# KiCad board led_res_0603_order.kicad_pcb (continued)
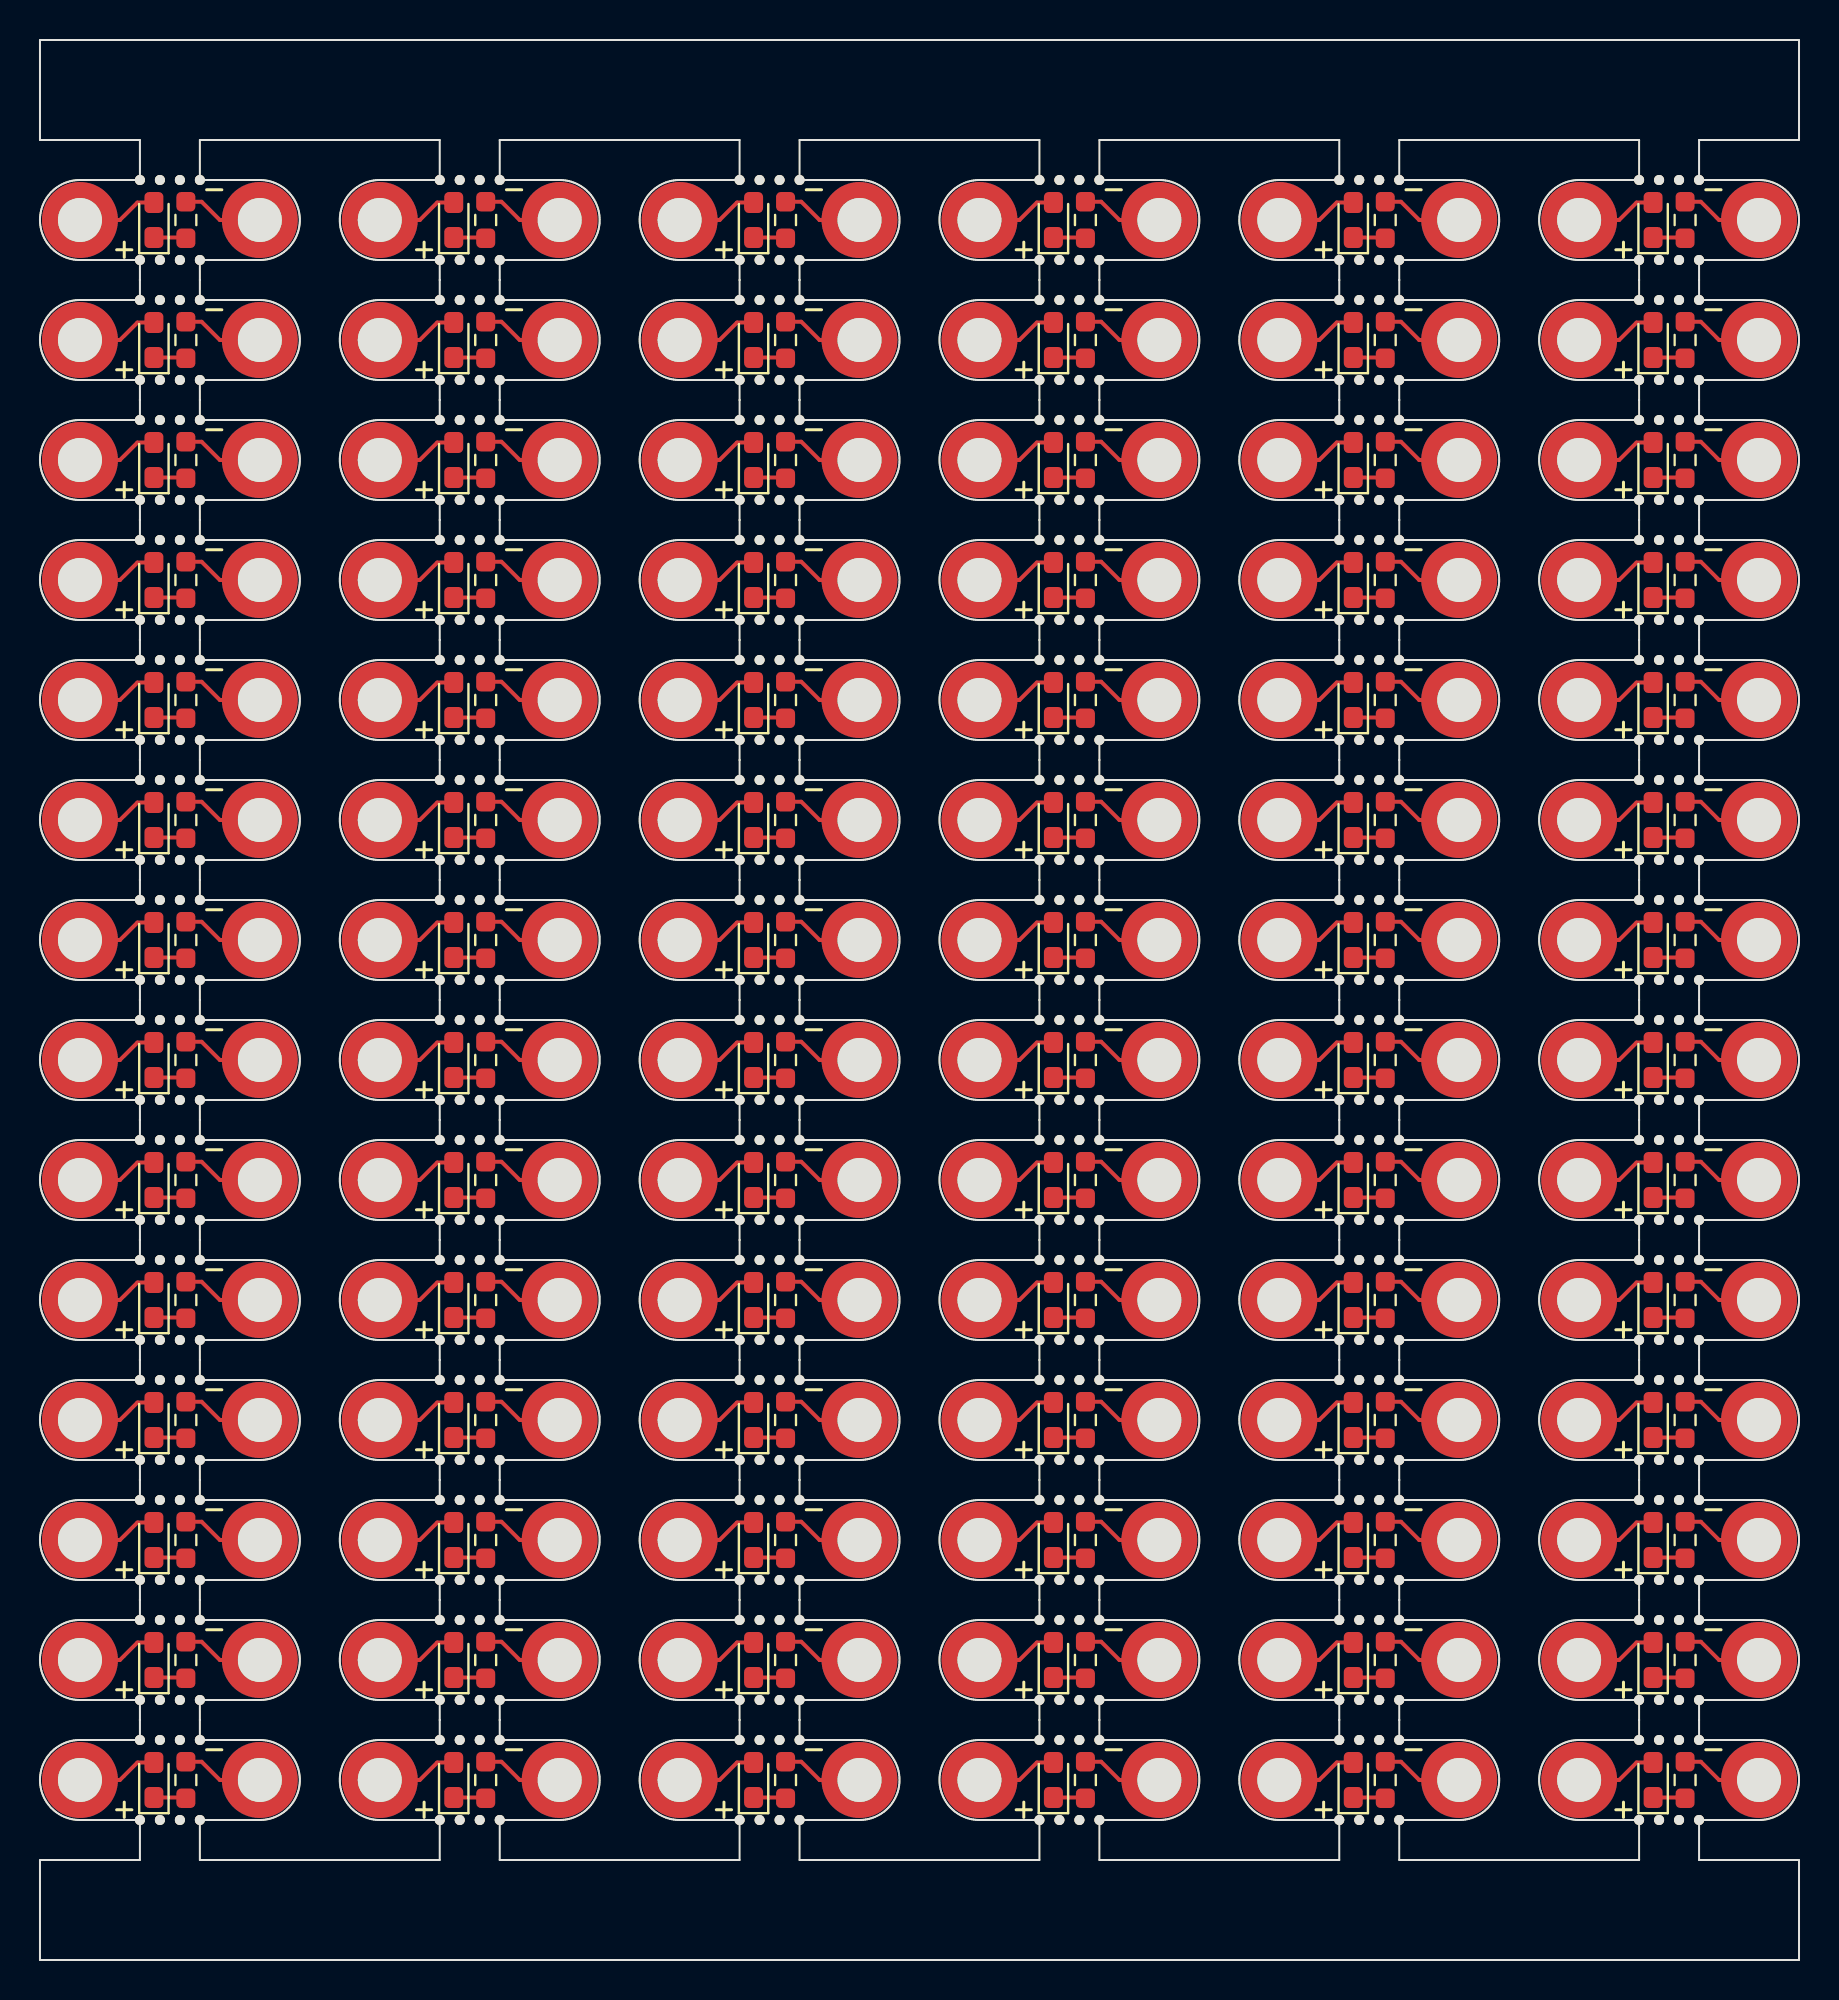
[diagram p0: board, top side]
## Placement (name value [footprint] x y rotation side) (continued)
R1#52  R_US  [R_0603_1608Metric_Pad0.98x0.95mm_HandSolder]  37.3 45 90 top
R1#53  R_US  [R_0603_1608Metric_Pad0.98x0.95mm_HandSolder]  82.3 69 90 top
R1#54  R_US  [R_0603_1608Metric_Pad0.98x0.95mm_HandSolder]  82.3 9 90 top
R1#55  R_US  [R_0603_1608Metric_Pad0.98x0.95mm_HandSolder]  52.3 69 90 top
R1#56  R_US  [R_0603_1608Metric_Pad0.98x0.95mm_HandSolder]  67.3 21 90 top
R1#57  R_US  [R_0603_1608Metric_Pad0.98x0.95mm_HandSolder]  52.3 81 90 top
R1#58  R_US  [R_0603_1608Metric_Pad0.98x0.95mm_HandSolder]  52.3 21 90 top
R1#59  R_US  [R_0603_1608Metric_Pad0.98x0.95mm_HandSolder]  82.3 21 90 top
R1#60  R_US  [R_0603_1608Metric_Pad0.98x0.95mm_HandSolder]  22.3 15 90 top
R1#61  R_US  [R_0603_1608Metric_Pad0.98x0.95mm_HandSolder]  37.3 15 90 top
R1#62  R_US  [R_0603_1608Metric_Pad0.98x0.95mm_HandSolder]  37.3 57 90 top
R1#63  R_US  [R_0603_1608Metric_Pad0.98x0.95mm_HandSolder]  67.3 33 90 top
R1#64  R_US  [R_0603_1608Metric_Pad0.98x0.95mm_HandSolder]  82.3 75 90 top
R1#65  R_US  [R_0603_1608Metric_Pad0.98x0.95mm_HandSolder]  52.3 27 90 top
R1#66  R_US  [R_0603_1608Metric_Pad0.98x0.95mm_HandSolder]  7.3 45 90 top
R1#67  R_US  [R_0603_1608Metric_Pad0.98x0.95mm_HandSolder]  7.3 9 90 top
R1#68  R_US  [R_0603_1608Metric_Pad0.98x0.95mm_HandSolder]  67.3 75 90 top
R1#69  R_US  [R_0603_1608Metric_Pad0.98x0.95mm_HandSolder]  67.3 15 90 top
R1#70  R_US  [R_0603_1608Metric_Pad0.98x0.95mm_HandSolder]  82.3 57 90 top
R1#71  R_US  [R_0603_1608Metric_Pad0.98x0.95mm_HandSolder]  67.3 57 90 top
R1#72  R_US  [R_0603_1608Metric_Pad0.98x0.95mm_HandSolder]  22.3 27 90 top
R1#73  R_US  [R_0603_1608Metric_Pad0.98x0.95mm_HandSolder]  82.3 81 90 top
R1#74  R_US  [R_0603_1608Metric_Pad0.98x0.95mm_HandSolder]  22.3 81 90 top
R1#75  R_US  [R_0603_1608Metric_Pad0.98x0.95mm_HandSolder]  7.3 21 90 top
R1#76  R_US  [R_0603_1608Metric_Pad0.98x0.95mm_HandSolder]  82.3 33 90 top
R1#77  R_US  [R_0603_1608Metric_Pad0.98x0.95mm_HandSolder]  7.3 51 90 top
R1#78  R_US  [R_0603_1608Metric_Pad0.98x0.95mm_HandSolder]  22.3 39 90 top
R1#79  R_US  [R_0603_1608Metric_Pad0.98x0.95mm_HandSolder]  37.3 81 90 top
R1#80  R_US  [R_0603_1608Metric_Pad0.98x0.95mm_HandSolder]  52.3 87 90 top
R1#81  R_US  [R_0603_1608Metric_Pad0.98x0.95mm_HandSolder]  82.3 87 90 top
R1#82  R_US  [R_0603_1608Metric_Pad0.98x0.95mm_HandSolder]  82.3 27 90 top
R1#83  R_US  [R_0603_1608Metric_Pad0.98x0.95mm_HandSolder]  52.3 51 90 top
R1#84  R_US  [R_0603_1608Metric_Pad0.98x0.95mm_HandSolder]  67.3 87 90 top

## Library data of the parts
D1 D1#2-D1#84 = -: Description: Light emitting diode; KiLib_Generator: SMD_2terminal_chip_molded; Sim.Pins: 1=K 2=A; ki_fp_filters: LED* LED_SMD:* LED_THT:*
H1 H1#2-H1#84 H2 H2#2-H2#84 = -: Description: Mounting Hole with connection; KiLib_Generator: mounting_hardware/mounting_hole; ki_fp_filters: MountingHole*Pad*
R1 R1#2-R1#84 = -: Description: Resistor, US symbol; KiLib_Generator: SMD_2terminal_chip_molded; ki_fp_filters: R_*

## Footprints (pads in the part's own frame, mm; a bottom-side part is the same pattern mirrored in y, then rotated)
LED_0603_1608Metric_Pad1.05x0.95mm_HandSolder
  rrect 1.05x0.95 smd: 1(-0.875,0) 2(0.875,0)
MountingHole_2.2mm_M2_DIN965_Pad_TopBottom
  round 2.6 hole 2.2: 1(0,0)
  round 3.8 smd: 1(0,0)
  round 3.8 smd far side: 1(0,0)
NPTH
  round 0.5 hole 0.5 unplated: (0,0)
R_0603_1608Metric_Pad0.98x0.95mm_HandSolder
  rrect 0.975x0.95 smd: 1(-0.912,0) 2(0.912,0)

## Nets
Board_0-Net-(D1-A): D1#56.2 H1#72.1
Board_0-Net-(D1-K): D1#56.1 R1#3.1
Board_0-Net-(H2-Pad1): H2#71.1 R1#3.2
Board_1-Net-(D1-A): D1#68.2 H1#65.1
Board_1-Net-(D1-K): D1#68.1 R1#5.1
Board_1-Net-(H2-Pad1): H2#74.1 R1#5.2
Board_2-Net-(D1-A): D1#25.2 H1#54.1
Board_2-Net-(D1-K): D1#25.1 R1#22.1
Board_2-Net-(H2-Pad1): H2#60.1 R1#22.2
Board_3-Net-(D1-A): D1#22.2 H1#33.1
Board_3-Net-(D1-K): D1#22.1 R1#80.1
Board_3-Net-(H2-Pad1): H2#11.1 R1#80.2
Board_4-Net-(D1-A): D1#46.2 H1#70.1
Board_4-Net-(D1-K): D1#46.1 R1#84.1
Board_4-Net-(H2-Pad1): H2#4.1 R1#84.2
Board_5-Net-(D1-A): D1#35.2 H1#17.1
Board_5-Net-(D1-K): D1#35.1 R1#81.1
Board_5-Net-(H2-Pad1): H2#26.1 R1#81.2
Board_6-Net-(D1-A): D1#7.2 H1#3.1
Board_6-Net-(D1-K): D1#7.1 R1#21.1
Board_6-Net-(H2-Pad1): H2#40.1 R1#21.2
Board_7-Net-(D1-A): D1#11.2 H1#35.1
Board_7-Net-(D1-K): D1#11.1 R1#74.1
Board_7-Net-(H2-Pad1): H2#66.1 R1#74.2
Board_8-Net-(D1-A): D1#36.2 H1#31.1
Board_8-Net-(D1-K): D1#36.1 R1#79.1
Board_8-Net-(H2-Pad1): H2#81.1 R1#79.2
Board_9-Net-(D1-A): D1#55.2 H1#18.1
Board_9-Net-(D1-K): D1#55.1 R1#57.1
Board_9-Net-(H2-Pad1): H2#58.1 R1#57.2
Board_10-Net-(D1-A): D1#49.2 H1#71.1
Board_10-Net-(D1-K): D1#49.1 R1#9.1
Board_10-Net-(H2-Pad1): H2#17.1 R1#9.2
Board_11-Net-(D1-A): D1#50.2 H1#27.1
Board_11-Net-(D1-K): D1#50.1 R1#73.1
Board_11-Net-(H2-Pad1): H2#34.1 R1#73.2
Board_12-Net-(D1-A): D1#33.2 H1#73.1
Board_12-Net-(D1-K): D1#33.1 R1#12.1
Board_12-Net-(H2-Pad1): H2#30.1 R1#12.2
Board_13-Net-(D1-A): D1#59.2 H1#64.1
Board_13-Net-(D1-K): D1#59.1 R1#15.1
Board_13-Net-(H2-Pad1): H2#19.1 R1#15.2
Board_14-Net-(D1-A): D1#65.2 H1#49.1
Board_14-Net-(D1-K): D1#65.1 R1#48.1
Board_14-Net-(H2-Pad1): H2#15.1 R1#48.2
Board_15-Net-(D1-A): D1#15.2 H1#62.1
Board_15-Net-(D1-K): D1#15.1 R1#24.1
Board_15-Net-(H2-Pad1): H2#3.1 R1#24.2
Board_16-Net-(D1-A): D1#74.2 H1#47.1
Board_16-Net-(D1-K): D1#74.1 R1#68.1
Board_16-Net-(H2-Pad1): H2#59.1 R1#68.2
Board_17-Net-(D1-A): D1#69.2 H1#83.1
Board_17-Net-(D1-K): D1#69.1 R1#64.1
Board_17-Net-(H2-Pad1): H2#63.1 R1#64.2
Board_18-Net-(D1-A): D1#28.2 H1#36.1
Board_18-Net-(D1-K): D1#28.1 R1#41.1
Board_18-Net-(H2-Pad1): H2#70.1 R1#41.2
Board_19-Net-(D1-A): D1#53.2 H1#76.1
Board_19-Net-(D1-K): D1#53.1 R1#43.1
Board_19-Net-(H2-Pad1): H2#36.1 R1#43.2
Board_20-Net-(D1-A): D1#21.2 H1#41.1
Board_20-Net-(D1-K): D1#21.1 R1#45.1
Board_20-Net-(H2-Pad1): H2#27.1 R1#45.2
Board_21-Net-(D1-A): D1#67.2 H1#53.1
Board_21-Net-(D1-K): D1#67.1 R1#55.1
Board_21-Net-(H2-Pad1): H2#78.1 R1#55.2
Board_22-Net-(D1-A): D1#27.2 H1#52.1
Board_22-Net-(D1-K): D1#27.1 R1#13.1
Board_22-Net-(H2-Pad1): H2#68.1 R1#13.2
Board_23-Net-(D1-A): D1#63.2 H1#79.1
Board_23-Net-(D1-K): D1#63.1 R1#53.1
Board_23-Net-(H2-Pad1): H2#28.1 R1#53.2
Board_24-Net-(D1-A): D1#79.2 H1#8.1
Board_24-Net-(D1-K): D1#79.1 R1#32.1
Board_24-Net-(H2-Pad1): H2#9.1 R1#32.2
Board_25-Net-(D1-A): D1#43.2 H1#45.1
Board_25-Net-(D1-K): D1#43.1 R1#28.1
Board_25-Net-(H2-Pad1): H2#82.1 R1#28.2
Board_26-Net-(D1-A): D1#13.2 H1#82.1
Board_26-Net-(D1-K): D1#13.1 R1#20.1
Board_26-Net-(H2-Pad1): H2#77.1 R1#20.2
Board_27-Net-(D1-A): D1#37.2 H1#26.1
Board_27-Net-(D1-K): D1#37.1 R1#26.1
Board_27-Net-(H2-Pad1): H2#72.1 R1#26.2
Board_28-Net-(D1-A): D1#6.2 H1.1
Board_28-Net-(D1-K): D1#6.1 R1#25.1
Board_28-Net-(H2-Pad1): H2#84.1 R1#25.2
Board_29-Net-(D1-A): D1#10.2 H1#46.1
Board_29-Net-(D1-K): D1#10.1 R1#2.1
Board_29-Net-(H2-Pad1): H2#10.1 R1#2.2
Board_30-Net-(D1-A): D1#20.2 H1#43.1
Board_30-Net-(D1-K): D1#20.1 R1#8.1
Board_30-Net-(H2-Pad1): H2#35.1 R1#8.2
Board_31-Net-(D1-A): D1#48.2 H1#13.1
Board_31-Net-(D1-K): D1#48.1 R1#44.1
Board_31-Net-(H2-Pad1): H2#61.1 R1#44.2
Board_32-Net-(D1-A): D1#54.2 H1#21.1
Board_32-Net-(D1-K): D1#54.1 R1#62.1
Board_32-Net-(H2-Pad1): H2#51.1 R1#62.2
Board_33-Net-(D1-A): D1#82.2 H1#74.1
Board_33-Net-(D1-K): D1#82.1 R1#17.1
Board_33-Net-(H2-Pad1): H2#53.1 R1#17.2
Board_34-Net-(D1-A): D1#4.2 H1#11.1
Board_34-Net-(D1-K): D1#4.1 R1#71.1
Board_34-Net-(H2-Pad1): H2#8.1 R1#71.2
Board_35-Net-(D1-A): D1#73.2 H1#37.1
Board_35-Net-(D1-K): D1#73.1 R1#70.1
Board_35-Net-(H2-Pad1): H2#24.1 R1#70.2
Board_36-Net-(D1-A): D1.2 H1#68.1
Board_36-Net-(D1-K): D1.1 R1#77.1
Board_36-Net-(H2-Pad1): H2#16.1 R1#77.2
Board_37-Net-(D1-A): D1#61.2 H1#14.1
Board_37-Net-(D1-K): D1#61.1 R1#35.1
Board_37-Net-(H2-Pad1): H2#79.1 R1#35.2
Board_38-Net-(D1-A): D1#77.2 H1#22.1
Board_38-Net-(D1-K): D1#77.1 R1#37.1
Board_38-Net-(H2-Pad1): H2#12.1 R1#37.2
Board_39-Net-(D1-A): D1#84.2 H1#69.1
Board_39-Net-(D1-K): D1#84.1 R1#83.1
Board_39-Net-(H2-Pad1): H2#7.1 R1#83.2
Board_40-Net-(D1-A): D1#60.2 H1#58.1
Board_40-Net-(D1-K): D1#60.1 R1#49.1
Board_40-Net-(H2-Pad1): H2#21.1 R1#49.2
Board_41-Net-(D1-A): D1#34.2 H1#2.1
Board_41-Net-(D1-K): D1#34.1 R1#36.1
Board_41-Net-(H2-Pad1): H2#5.1 R1#36.2
Board_42-Net-(D1-A): D1#58.2 H1#55.1
Board_42-Net-(D1-K): D1#58.1 R1#66.1
Board_42-Net-(H2-Pad1): H2#46.1 R1#66.2
Board_43-Net-(D1-A): D1#66.2 H1#56.1
Board_43-Net-(D1-K): D1#66.1 R1#31.1
Board_43-Net-(H2-Pad1): H2#37.1 R1#31.2
Board_44-Net-(D1-A): D1#12.2 H1#81.1
Board_44-Net-(D1-K): D1#12.1 R1#52.1
Board_44-Net-(H2-Pad1): H2#31.1 R1#52.2
Board_45-Net-(D1-A): D1#18.2 H1#23.1
Board_45-Net-(D1-K): D1#18.1 R1#18.1
Board_45-Net-(H2-Pad1): H2#33.1 R1#18.2
Board_46-Net-(D1-A): D1#51.2 H1#24.1
Board_46-Net-(D1-K): D1#51.1 R1#30.1
Board_46-Net-(H2-Pad1): H2#69.1 R1#30.2
Board_47-Net-(D1-A): D1#44.2 H1#57.1
Board_47-Net-(D1-K): D1#44.1 R1#42.1
Board_47-Net-(H2-Pad1): H2#14.1 R1#42.2
Board_48-Net-(D1-A): D1#71.2 H1#59.1
Board_48-Net-(D1-K): D1#71.1 R1#38.1
Board_48-Net-(H2-Pad1): H2#80.1 R1#38.2
Board_49-Net-(D1-A): D1#19.2 H1#4.1
Board_49-Net-(D1-K): D1#19.1 R1#78.1
Board_49-Net-(H2-Pad1): H2#44.1 R1#78.2
Board_50-Net-(D1-A): D1#76.2 H1#51.1
Board_50-Net-(D1-K): D1#76.1 R1#39.1
Board_50-Net-(H2-Pad1): H2#41.1 R1#39.2
Board_51-Net-(D1-A): D1#42.2 H1#75.1
Board_51-Net-(D1-K): D1#42.1 R1#27.1
Board_51-Net-(H2-Pad1): H2#73.1 R1#27.2
Board_52-Net-(D1-A): D1#17.2 H1#32.1
Board_52-Net-(D1-K): D1#17.1 R1#14.1
Board_52-Net-(H2-Pad1): H2#29.1 R1#14.2
Board_53-Net-(D1-A): D1#52.2 H1#39.1
Board_53-Net-(D1-K): D1#52.1 R1#29.1
Board_53-Net-(H2-Pad1): H2#64.1 R1#29.2
Board_54-Net-(D1-A): D1#26.2 H1#61.1
Board_54-Net-(D1-K): D1#26.1 R1#19.1
Board_54-Net-(H2-Pad1): H2#13.1 R1#19.2
Board_55-Net-(D1-A): D1#70.2 H1#19.1
Board_55-Net-(D1-K): D1#70.1 R1#51.1
Board_55-Net-(H2-Pad1): H2#62.1 R1#51.2
Board_56-Net-(D1-A): D1#14.2 H1#67.1
Board_56-Net-(D1-K): D1#14.1 R1#33.1
Board_56-Net-(H2-Pad1): H2#67.1 R1#33.2
Board_57-Net-(D1-A): D1#81.2 H1#63.1
Board_57-Net-(D1-K): D1#81.1 R1#4.1
Board_57-Net-(H2-Pad1): H2#57.1 R1#4.2
Board_58-Net-(D1-A): D1#8.2 H1#25.1
Board_58-Net-(D1-K): D1#8.1 R1#63.1
Board_58-Net-(H2-Pad1): H2#65.1 R1#63.2
Board_59-Net-(D1-A): D1#75.2 H1#77.1
Board_59-Net-(D1-K): D1#75.1 R1#76.1
Board_59-Net-(H2-Pad1): H2#39.1 R1#76.2
Board_60-Net-(D1-A): D1#9.2 H1#9.1
Board_60-Net-(D1-K): D1#9.1 R1#50.1
Board_60-Net-(H2-Pad1): H2#25.1 R1#50.2
Board_61-Net-(D1-A): D1#5.2 H1#78.1
Board_61-Net-(D1-K): D1#5.1 R1#72.1
Board_61-Net-(H2-Pad1): H2#43.1 R1#72.2
Board_62-Net-(D1-A): D1#62.2 H1#6.1
Board_62-Net-(D1-K): D1#62.1 R1#46.1
Board_62-Net-(H2-Pad1): H2#83.1 R1#46.2
Board_63-Net-(D1-A): D1#78.2 H1#50.1
Board_63-Net-(D1-K): D1#78.1 R1#65.1
Board_63-Net-(H2-Pad1): H2#75.1 R1#65.2
Board_64-Net-(D1-A): D1#39.2 H1#48.1
Board_64-Net-(D1-K): D1#39.1 R1#7.1
Board_64-Net-(H2-Pad1): H2#38.1 R1#7.2
Board_65-Net-(D1-A): D1#32.2 H1#7.1
Board_65-Net-(D1-K): D1#32.1 R1#82.1
Board_65-Net-(H2-Pad1): H2#20.1 R1#82.2
Board_66-Net-(D1-A): D1#16.2 H1#12.1
Board_66-Net-(D1-K): D1#16.1 R1#75.1
Board_66-Net-(H2-Pad1): H2#56.1 R1#75.2
Board_67-Net-(D1-A): D1#23.2 H1#29.1
Board_67-Net-(D1-K): D1#23.1 R1#47.1
Board_67-Net-(H2-Pad1): H2#55.1 R1#47.2
Board_68-Net-(D1-A): D1#31.2 H1#44.1
Board_68-Net-(D1-K): D1#31.1 R1.1
Board_68-Net-(H2-Pad1): H2#52.1 R1.2
Board_69-Net-(D1-A): D1#41.2 H1#16.1
Board_69-Net-(D1-K): D1#41.1 R1#58.1
Board_69-Net-(H2-Pad1): H2#23.1 R1#58.2
Board_70-Net-(D1-A): D1#38.2 H1#42.1
Board_70-Net-(D1-K): D1#38.1 R1#56.1
Board_70-Net-(H2-Pad1): H2#50.1 R1#56.2
Board_71-Net-(D1-A): D1#47.2 H1#28.1
Board_71-Net-(D1-K): D1#47.1 R1#59.1
Board_71-Net-(H2-Pad1): H2#2.1 R1#59.2
Board_72-Net-(D1-A): D1#45.2 H1#84.1
Board_72-Net-(D1-K): D1#45.1 R1#16.1
Board_72-Net-(H2-Pad1): H2#76.1 R1#16.2
Board_73-Net-(D1-A): D1#80.2 H1#30.1
Board_73-Net-(D1-K): D1#80.1 R1#60.1
Board_73-Net-(H2-Pad1): H2#6.1 R1#60.2
Board_74-Net-(D1-A): D1#40.2 H1#66.1
Board_74-Net-(D1-K): D1#40.1 R1#61.1
Board_74-Net-(H2-Pad1): H2#18.1 R1#61.2
Board_75-Net-(D1-A): D1#57.2 H1#15.1
Board_75-Net-(D1-K): D1#57.1 R1#11.1
Board_75-Net-(H2-Pad1): H2#45.1 R1#11.2
Board_76-Net-(D1-A): D1#64.2 H1#34.1
Board_76-Net-(D1-K): D1#64.1 R1#69.1
Board_76-Net-(H2-Pad1): H2#48.1 R1#69.2
Board_77-Net-(D1-A): D1#3.2 H1#5.1
Board_77-Net-(D1-K): D1#3.1 R1#23.1
Board_77-Net-(H2-Pad1): H2#42.1 R1#23.2
Board_78-Net-(D1-A): D1#72.2 H1#40.1
Board_78-Net-(D1-K): D1#72.1 R1#67.1
Board_78-Net-(H2-Pad1): H2#47.1 R1#67.2
Board_79-Net-(D1-A): D1#29.2 H1#10.1
Board_79-Net-(D1-K): D1#29.1 R1#40.1
Board_79-Net-(H2-Pad1): H2.1 R1#40.2
Board_80-Net-(D1-A): D1#30.2 H1#60.1
Board_80-Net-(D1-K): D1#30.1 R1#34.1
Board_80-Net-(H2-Pad1): H2#32.1 R1#34.2
Board_81-Net-(D1-A): D1#24.2 H1#20.1
Board_81-Net-(D1-K): D1#24.1 R1#10.1
Board_81-Net-(H2-Pad1): H2#22.1 R1#10.2
Board_82-Net-(D1-A): D1#83.2 H1#80.1
Board_82-Net-(D1-K): D1#83.1 R1#6.1
Board_82-Net-(H2-Pad1): H2#49.1 R1#6.2
Board_83-Net-(D1-A): D1#2.2 H1#38.1
Board_83-Net-(D1-K): D1#2.1 R1#54.1
Board_83-Net-(H2-Pad1): H2#54.1 R1#54.2

## Routing (per net, layer and track width the routed paths; a pad name or vN(x,y) marks a point on that pad's centre or on a via; arc(x,y) is an arc through that point)
Board_0-Net-(D1-A): length 4.1
  Top w0.2: D1#56.2 4.87,87.88 4,87 H1#72.1
Board_0-Net-(D1-K): length 1.6
  Top w0.2: R1#3.1 7.26,86.13 D1#56.1
Board_0-Net-(H2-Pad1): length 4.1
  Top w0.2: H2#71.1 9,87 8.09,87.91 R1#3.2
Board_1-Net-(D1-A): length 4.1
  Top w0.2: H1#65.1 19,87 19.87,87.88 D1#68.2
Board_1-Net-(D1-K): length 1.6
  Top w0.2: R1#5.1 22.26,86.13 D1#68.1
Board_1-Net-(H2-Pad1): length 4.1
  Top w0.2: R1#5.2 23.09,87.91 24,87 H2#74.1
Board_2-Net-(D1-A): length 4.1
  Top w0.2: H1#54.1 34,87 34.87,87.88 D1#25.2
Board_2-Net-(D1-K): length 1.6
  Top w0.2: D1#25.1 37.26,86.13 R1#22.1
Board_2-Net-(H2-Pad1): length 4.1
  Top w0.2: H2#60.1 39,87 38.09,87.91 R1#22.2
Board_3-Net-(D1-A): length 4.1
  Top w0.2: D1#22.2 49.87,87.88 49,87 H1#33.1
Board_3-Net-(D1-K): length 1.6
  Top w0.2: R1#80.1 52.26,86.13 D1#22.1
Board_3-Net-(H2-Pad1): length 4.1
  Top w0.2: R1#80.2 53.09,87.91 54,87 H2#11.1
Board_4-Net-(D1-A): length 4.1
  Top w0.2: H1#70.1 64,87 64.87,87.88 D1#46.2
Board_4-Net-(D1-K): length 1.6
  Top w0.2: D1#46.1 67.26,86.13 R1#84.1
Board_4-Net-(H2-Pad1): length 4.1
  Top w0.2: H2#4.1 69,87 68.09,87.91 R1#84.2
Board_5-Net-(D1-A): length 4.1
  Top w0.2: H1#17.1 79,87 79.87,87.88 D1#35.2
Board_5-Net-(D1-K): length 1.6
  Top w0.2: D1#35.1 82.26,86.13 R1#81.1
Board_5-Net-(H2-Pad1): length 4.1
  Top w0.2: R1#81.2 83.09,87.91 84,87 H2#26.1
Board_6-Net-(D1-A): length 4.1
  Top w0.2: H1#3.1 4,81 4.87,81.88 D1#7.2
Board_6-Net-(D1-K): length 1.6
  Top w0.2: 7.3,80.09 7.26,80.13 D1#7.1
Board_6-Net-(H2-Pad1): length 4.1
  Top w0.2: H2#40.1 9,81 8.09,81.91 R1#21.2
Board_7-Net-(D1-A): length 4.1
  Top w0.2: H1#35.1 19,81 19.87,81.88 D1#11.2
Board_7-Net-(D1-K): length 1.6
  Top w0.2: 22.3,80.09 22.26,80.13 D1#11.1
Board_7-Net-(H2-Pad1): length 4.1
  Top w0.2: H2#66.1 24,81 23.09,81.91 R1#74.2
Board_8-Net-(D1-A): length 4.1
  Top w0.2: D1#36.2 34.87,81.88 34,81 H1#31.1
Board_8-Net-(D1-K): length 1.6
  Top w0.2: 37.3,80.09 37.26,80.13 D1#36.1
Board_8-Net-(H2-Pad1): length 4.1
  Top w0.2: H2#81.1 39,81 38.09,81.91 R1#79.2
Board_9-Net-(D1-A): length 4.1
  Top w0.2: H1#18.1 49,81 49.87,81.88 D1#55.2
Board_9-Net-(D1-K): length 1.6
  Top w0.2: D1#55.1 52.26,80.13 52.3,80.09
Board_9-Net-(H2-Pad1): length 4.1
  Top w0.2: H2#58.1 54,81 53.09,81.91 R1#57.2
Board_10-Net-(D1-A): length 4.1
  Top w0.2: H1#71.1 64,81 64.87,81.88 D1#49.2
Board_10-Net-(D1-K): length 1.6
  Top w0.2: D1#49.1 67.26,80.13 67.3,80.09
Board_10-Net-(H2-Pad1): length 4.1
  Top w0.2: R1#9.2 68.09,81.91 69,81 H2#17.1
Board_11-Net-(D1-A): length 4.1
  Top w0.2: H1#27.1 79,81 79.87,81.88 D1#50.2
Board_11-Net-(D1-K): length 1.6
  Top w0.2: D1#50.1 82.26,80.13 82.3,80.09
Board_11-Net-(H2-Pad1): length 4.1
  Top w0.2: H2#34.1 84,81 83.09,81.91 R1#73.2
Board_12-Net-(D1-A): length 4.1
  Top w0.2: H1#73.1 4,75 4.87,75.88 D1#33.2
Board_12-Net-(D1-K): length 1.6
  Top w0.2: D1#33.1 7.26,74.13 7.3,74.09
Board_12-Net-(H2-Pad1): length 4.1
  Top w0.2: H2#30.1 9,75 8.09,75.91 R1#12.2
Board_13-Net-(D1-A): length 4.1
  Top w0.2: D1#59.2 19.87,75.88 19,75 H1#64.1
Board_13-Net-(D1-K): length 1.6
  Top w0.2: D1#59.1 22.26,74.13 22.3,74.09
Board_13-Net-(H2-Pad1): length 4.1
  Top w0.2: R1#15.2 23.09,75.91 24,75 H2#19.1
Board_14-Net-(D1-A): length 4.1
  Top w0.2: D1#65.2 34.87,75.88 34,75 H1#49.1
Board_14-Net-(D1-K): length 1.6
  Top w0.2: D1#65.1 37.26,74.13 37.3,74.09
Board_14-Net-(H2-Pad1): length 4.1
  Top w0.2: H2#15.1 39,75 38.09,75.91 R1#48.2
Board_15-Net-(D1-A): length 4.1
  Top w0.2: H1#62.1 49,75 49.87,75.88 D1#15.2
Board_15-Net-(D1-K): length 1.6
  Top w0.2: 52.3,74.09 52.26,74.13 D1#15.1
Board_15-Net-(H2-Pad1): length 4.1
  Top w0.2: H2#3.1 54,75 53.09,75.91 R1#24.2
Board_16-Net-(D1-A): length 4.1
  Top w0.2: H1#47.1 64,75 64.87,75.88 D1#74.2
Board_16-Net-(D1-K): length 1.6
  Top w0.2: 67.3,74.09 67.26,74.13 D1#74.1
Board_16-Net-(H2-Pad1): length 4.1
  Top w0.2: R1#68.2 68.09,75.91 69,75 H2#59.1
Board_17-Net-(D1-A): length 4.1
  Top w0.2: H1#83.1 79,75 79.87,75.88 D1#69.2
Board_17-Net-(D1-K): length 1.6
  Top w0.2: D1#69.1 82.26,74.13 82.3,74.09
Board_17-Net-(H2-Pad1): length 4.1
  Top w0.2: H2#63.1 84,75 83.09,75.91 R1#64.2
Board_18-Net-(D1-A): length 4.1
  Top w0.2: D1#28.2 4.87,69.88 4,69 H1#36.1
Board_18-Net-(D1-K): length 1.6
  Top w0.2: D1#28.1 7.26,68.13 7.3,68.09
Board_18-Net-(H2-Pad1): length 4.1
  Top w0.2: R1#41.2 8.09,69.91 9,69 H2#70.1
Board_19-Net-(D1-A): length 4.1
  Top w0.2: H1#76.1 19,69 19.87,69.88 D1#53.2
Board_19-Net-(D1-K): length 1.6
  Top w0.2: 22.3,68.09 22.26,68.13 D1#53.1
Board_19-Net-(H2-Pad1): length 4.1
  Top w0.2: R1#43.2 23.09,69.91 24,69 H2#36.1
Board_20-Net-(D1-A): length 4.1
  Top w0.2: H1#41.1 34,69 34.87,69.88 D1#21.2
Board_20-Net-(D1-K): length 1.6
  Top w0.2: D1#21.1 37.26,68.13 37.3,68.09
Board_20-Net-(H2-Pad1): length 4.1
  Top w0.2: R1#45.2 38.09,69.91 39,69 H2#27.1
Board_21-Net-(D1-A): length 4.1
  Top w0.2: H1#53.1 49,69 49.87,69.88 D1#67.2
Board_21-Net-(D1-K): length 1.6
  Top w0.2: 52.3,68.09 52.26,68.13 D1#67.1
Board_21-Net-(H2-Pad1): length 4.1
  Top w0.2: R1#55.2 53.09,69.91 54,69 H2#78.1
Board_22-Net-(D1-A): length 4.1
  Top w0.2: H1#52.1 64,69 64.87,69.88 D1#27.2
Board_22-Net-(D1-K): length 1.6
  Top w0.2: D1#27.1 67.26,68.13 67.3,68.09
Board_22-Net-(H2-Pad1): length 4.1
  Top w0.2: H2#68.1 69,69 68.09,69.91 R1#13.2
Board_23-Net-(D1-A): length 4.1
  Top w0.2: H1#79.1 79,69 79.87,69.88 D1#63.2
Board_23-Net-(D1-K): length 1.6
  Top w0.2: D1#63.1 82.26,68.13 82.3,68.09
Board_23-Net-(H2-Pad1): length 4.1
  Top w0.2: H2#28.1 84,69 83.09,69.91 R1#53.2
Board_24-Net-(D1-A): length 4.1
  Top w0.2: H1#8.1 4,63 4.87,63.88 D1#79.2
Board_24-Net-(D1-K): length 1.6
  Top w0.2: 7.3,62.09 7.26,62.13 D1#79.1
Board_24-Net-(H2-Pad1): length 4.1
  Top w0.2: R1#32.2 8.09,63.91 9,63 H2#9.1
Board_25-Net-(D1-A): length 4.1
  Top w0.2: H1#45.1 19,63 19.87,63.88 D1#43.2
Board_25-Net-(D1-K): length 1.6
  Top w0.2: D1#43.1 22.26,62.13 22.3,62.09
Board_25-Net-(H2-Pad1): length 4.1
  Top w0.2: H2#82.1 24,63 23.09,63.91 R1#28.2
Board_26-Net-(D1-A): length 4.1
  Top w0.2: D1#13.2 34.87,63.88 34,63 H1#82.1
Board_26-Net-(D1-K): length 1.6
  Top w0.2: 37.3,62.09 37.26,62.13 D1#13.1
Board_26-Net-(H2-Pad1): length 4.1
  Top w0.2: R1#20.2 38.09,63.91 39,63 H2#77.1
Board_27-Net-(D1-A): length 4.1
  Top w0.2: D1#37.2 49.87,63.88 49,63 H1#26.1
Board_27-Net-(D1-K): length 1.6
  Top w0.2: 52.3,62.09 52.26,62.13 D1#37.1
Board_27-Net-(H2-Pad1): length 4.1
  Top w0.2: H2#72.1 54,63 53.09,63.91 R1#26.2
Board_28-Net-(D1-A): length 4.1
  Top w0.2: H1.1 64,63 64.87,63.88 D1#6.2
Board_28-Net-(D1-K): length 1.6
  Top w0.2: D1#6.1 67.26,62.13 67.3,62.09
Board_28-Net-(H2-Pad1): length 4.1
  Top w0.2: H2#84.1 69,63 68.09,63.91 R1#25.2
Board_29-Net-(D1-A): length 4.1
  Top w0.2: H1#46.1 79,63 79.87,63.88 D1#10.2
Board_29-Net-(D1-K): length 1.6
  Top w0.2: 82.3,62.09 82.26,62.13 D1#10.1
Board_29-Net-(H2-Pad1): length 4.1
  Top w0.2: H2#10.1 84,63 83.09,63.91 R1#2.2
Board_30-Net-(D1-A): length 4.1
  Top w0.2: D1#20.2 4.87,57.88 4,57 H1#43.1
Board_30-Net-(D1-K): length 1.6
  Top w0.2: D1#20.1 7.26,56.13 7.3,56.09
Board_30-Net-(H2-Pad1): length 4.1
  Top w0.2: R1#8.2 8.09,57.91 9,57 H2#35.1
Board_31-Net-(D1-A): length 4.1
  Top w0.2: D1#48.2 19.87,57.88 19,57 H1#13.1
Board_31-Net-(D1-K): length 1.6
  Top w0.2: D1#48.1 22.26,56.13 22.3,56.09
Board_31-Net-(H2-Pad1): length 4.1
  Top w0.2: R1#44.2 23.09,57.91 24,57 H2#61.1
Board_32-Net-(D1-A): length 4.1
  Top w0.2: D1#54.2 34.87,57.88 34,57 H1#21.1
Board_32-Net-(D1-K): length 1.6
  Top w0.2: D1#54.1 37.26,56.13 37.3,56.09
Board_32-Net-(H2-Pad1): length 4.1
  Top w0.2: H2#51.1 39,57 38.09,57.91 R1#62.2
Board_33-Net-(D1-A): length 4.1
  Top w0.2: H1#74.1 49,57 49.87,57.88 D1#82.2
Board_33-Net-(D1-K): length 1.6
  Top w0.2: D1#82.1 52.26,56.13 52.3,56.09
Board_33-Net-(H2-Pad1): length 4.1
  Top w0.2: R1#17.2 53.09,57.91 54,57 H2#53.1
Board_34-Net-(D1-A): length 4.1
  Top w0.2: H1#11.1 64,57 64.87,57.88 D1#4.2
Board_34-Net-(D1-K): length 1.6
  Top w0.2: D1#4.1 67.26,56.13 67.3,56.09
Board_34-Net-(H2-Pad1): length 4.1
  Top w0.2: H2#8.1 69,57 68.09,57.91 R1#71.2
Board_35-Net-(D1-A): length 4.1
  Top w0.2: H1#37.1 79,57 79.87,57.88 D1#73.2
Board_35-Net-(D1-K): length 1.6
  Top w0.2: 82.3,56.09 82.26,56.13 D1#73.1
Board_35-Net-(H2-Pad1): length 4.1
  Top w0.2: R1#70.2 83.09,57.91 84,57 H2#24.1
Board_36-Net-(D1-A): length 4.1
  Top w0.2: H1#68.1 4,51 4.87,51.88 D1.2
Board_36-Net-(D1-K): length 1.6
  Top w0.2: D1.1 7.26,50.13 R1#77.1
Board_36-Net-(H2-Pad1): length 4.1
  Top w0.2: H2#16.1 9,51 8.09,51.91 R1#77.2
Board_37-Net-(D1-A): length 4.1
  Top w0.2: D1#61.2 19.87,51.88 19,51 H1#14.1
Board_37-Net-(D1-K): length 1.6
  Top w0.2: D1#61.1 22.26,50.13 R1#35.1
Board_37-Net-(H2-Pad1): length 4.1
  Top w0.2: R1#35.2 23.09,51.91 24,51 H2#79.1
Board_38-Net-(D1-A): length 4.1
  Top w0.2: H1#22.1 34,51 34.87,51.88 D1#77.2
Board_38-Net-(D1-K): length 1.6
  Top w0.2: R1#37.1 37.26,50.13 D1#77.1
Board_38-Net-(H2-Pad1): length 4.1
  Top w0.2: H2#12.1 39,51 38.09,51.91 R1#37.2
Board_39-Net-(D1-A): length 4.1
  Top w0.2: H1#69.1 49,51 49.87,51.88 D1#84.2
Board_39-Net-(D1-K): length 1.6
  Top w0.2: D1#84.1 52.26,50.13 R1#83.1
Board_39-Net-(H2-Pad1): length 4.1
  Top w0.2: H2#7.1 54,51 53.09,51.91 R1#83.2
Board_40-Net-(D1-A): length 4.1
  Top w0.2: H1#58.1 64,51 64.87,51.88 D1#60.2
Board_40-Net-(D1-K): length 1.6
  Top w0.2: D1#60.1 67.26,50.13 R1#49.1
Board_40-Net-(H2-Pad1): length 4.1
  Top w0.2: H2#21.1 69,51 68.09,51.91 R1#49.2
Board_41-Net-(D1-A): length 4.1
  Top w0.2: D1#34.2 79.87,51.88 79,51 H1#2.1
Board_41-Net-(D1-K): length 1.6
  Top w0.2: R1#36.1 82.26,50.13 D1#34.1
Board_41-Net-(H2-Pad1): length 4.1
  Top w0.2: R1#36.2 83.09,51.91 84,51 H2#5.1
Board_42-Net-(D1-A): length 4.1
  Top w0.2: D1#58.2 4.87,45.88 4,45 H1#55.1
Board_42-Net-(D1-K): length 1.6
  Top w0.2: D1#58.1 7.26,44.13 R1#66.1
Board_42-Net-(H2-Pad1): length 4.1
  Top w0.2: H2#46.1 9,45 8.09,45.91 R1#66.2
Board_43-Net-(D1-A): length 4.1
  Top w0.2: D1#66.2 19.87,45.88 19,45 H1#56.1
Board_43-Net-(D1-K): length 1.6
  Top w0.2: R1#31.1 22.26,44.13 D1#66.1
Board_43-Net-(H2-Pad1): length 4.1
  Top w0.2: H2#37.1 24,45 23.09,45.91 R1#31.2
Board_44-Net-(D1-A): length 4.1
  Top w0.2: D1#12.2 34.87,45.88 34,45 H1#81.1
Board_44-Net-(D1-K): length 1.6
  Top w0.2: R1#52.1 37.26,44.13 D1#12.1
Board_44-Net-(H2-Pad1): length 4.1
  Top w0.2: R1#52.2 38.09,45.91 39,45 H2#31.1
Board_45-Net-(D1-A): length 4.1
  Top w0.2: D1#18.2 49.87,45.88 49,45 H1#23.1
Board_45-Net-(D1-K): length 1.6
  Top w0.2: D1#18.1 52.26,44.13 R1#18.1
Board_45-Net-(H2-Pad1): length 4.1
  Top w0.2: H2#33.1 54,45 53.09,45.91 R1#18.2
Board_46-Net-(D1-A): length 4.1
  Top w0.2: H1#24.1 64,45 64.87,45.88 D1#51.2
Board_46-Net-(D1-K): length 1.6
  Top w0.2: R1#30.1 67.26,44.13 D1#51.1
Board_46-Net-(H2-Pad1): length 4.1
  Top w0.2: H2#69.1 69,45 68.09,45.91 R1#30.2
Board_47-Net-(D1-A): length 4.1
  Top w0.2: D1#44.2 79.87,45.88 79,45 H1#57.1
Board_47-Net-(D1-K): length 1.6
  Top w0.2: D1#44.1 82.26,44.13 R1#42.1
Board_47-Net-(H2-Pad1): length 4.1
  Top w0.2: H2#14.1 84,45 83.09,45.91 R1#42.2
Board_48-Net-(D1-A): length 4.1
  Top w0.2: D1#71.2 4.87,39.88 4,39 H1#59.1
Board_48-Net-(D1-K): length 1.6
  Top w0.2: D1#71.1 7.26,38.13 R1#38.1
Board_48-Net-(H2-Pad1): length 4.1
  Top w0.2: H2#80.1 9,39 8.09,39.91 R1#38.2
Board_49-Net-(D1-A): length 4.1
  Top w0.2: D1#19.2 19.87,39.88 19,39 H1#4.1
Board_49-Net-(D1-K): length 1.6
  Top w0.2: R1#78.1 22.26,38.13 D1#19.1
Board_49-Net-(H2-Pad1): length 4.1
  Top w0.2: H2#44.1 24,39 23.09,39.91 R1#78.2
Board_50-Net-(D1-A): length 4.1
  Top w0.2: H1#51.1 34,39 34.87,39.88 D1#76.2
Board_50-Net-(D1-K): length 1.6
  Top w0.2: R1#39.1 37.26,38.13 D1#76.1
Board_50-Net-(H2-Pad1): length 4.1
  Top w0.2: H2#41.1 39,39 38.09,39.91 R1#39.2
Board_51-Net-(D1-A): length 4.1
  Top w0.2: D1#42.2 49.87,39.88 49,39 H1#75.1
Board_51-Net-(D1-K): length 1.6
  Top w0.2: D1#42.1 52.26,38.13 R1#27.1
Board_51-Net-(H2-Pad1): length 4.1
  Top w0.2: R1#27.2 53.09,39.91 54,39 H2#73.1
Board_52-Net-(D1-A): length 4.1
  Top w0.2: D1#17.2 64.87,39.88 64,39 H1#32.1
Board_52-Net-(D1-K): length 1.6
  Top w0.2: R1#14.1 67.26,38.13 D1#17.1
Board_52-Net-(H2-Pad1): length 4.1
  Top w0.2: H2#29.1 69,39 68.09,39.91 R1#14.2
Board_53-Net-(D1-A): length 4.1
  Top w0.2: H1#39.1 79,39 79.87,39.88 D1#52.2
Board_53-Net-(D1-K): length 1.6
  Top w0.2: R1#29.1 82.26,38.13 D1#52.1
Board_53-Net-(H2-Pad1): length 4.1
  Top w0.2: R1#29.2 83.09,39.91 84,39 H2#64.1
Board_54-Net-(D1-A): length 4.1
  Top w0.2: D1#26.2 4.87,33.88 4,33 H1#61.1
Board_54-Net-(D1-K): length 1.6
  Top w0.2: R1#19.1 7.26,32.13 D1#26.1
Board_54-Net-(H2-Pad1): length 4.1
  Top w0.2: R1#19.2 8.09,33.91 9,33 H2#13.1
Board_55-Net-(D1-A): length 4.1
  Top w0.2: H1#19.1 19,33 19.87,33.88 D1#70.2
Board_55-Net-(D1-K): length 1.6
  Top w0.2: D1#70.1 22.26,32.13 R1#51.1
Board_55-Net-(H2-Pad1): length 4.1
  Top w0.2: R1#51.2 23.09,33.91 24,33 H2#62.1
Board_56-Net-(D1-A): length 4.1
  Top w0.2: H1#67.1 34,33 34.87,33.88 D1#14.2
Board_56-Net-(D1-K): length 1.6
  Top w0.2: R1#33.1 37.26,32.13 D1#14.1
Board_56-Net-(H2-Pad1): length 4.1
  Top w0.2: R1#33.2 38.09,33.91 39,33 H2#67.1
Board_57-Net-(D1-A): length 4.1
  Top w0.2: D1#81.2 49.87,33.88 49,33 H1#63.1
Board_57-Net-(D1-K): length 1.6
  Top w0.2: R1#4.1 52.26,32.13 D1#81.1
Board_57-Net-(H2-Pad1): length 4.1
  Top w0.2: H2#57.1 54,33 53.09,33.91 R1#4.2
Board_58-Net-(D1-A): length 4.1
  Top w0.2: H1#25.1 64,33 64.87,33.88 D1#8.2
Board_58-Net-(D1-K): length 1.6
  Top w0.2: R1#63.1 67.26,32.13 D1#8.1
Board_58-Net-(H2-Pad1): length 4.1
  Top w0.2: R1#63.2 68.09,33.91 69,33 H2#65.1
Board_59-Net-(D1-A): length 4.1
  Top w0.2: H1#77.1 79,33 79.87,33.88 D1#75.2
Board_59-Net-(D1-K): length 1.6
  Top w0.2: D1#75.1 82.26,32.13 R1#76.1
Board_59-Net-(H2-Pad1): length 4.1
  Top w0.2: R1#76.2 83.09,33.91 84,33 H2#39.1
Board_60-Net-(D1-A): length 4.1
  Top w0.2: D1#9.2 4.87,27.88 4,27 H1#9.1
Board_60-Net-(D1-K): length 1.6
  Top w0.2: D1#9.1 7.26,26.13 R1#50.1
Board_60-Net-(H2-Pad1): length 4.1
  Top w0.2: R1#50.2 8.09,27.91 9,27 H2#25.1
Board_61-Net-(D1-A): length 4.1
  Top w0.2: D1#5.2 19.87,27.88 19,27 H1#78.1
Board_61-Net-(D1-K): length 1.6
  Top w0.2: R1#72.1 22.26,26.13 D1#5.1
Board_61-Net-(H2-Pad1): length 4.1
  Top w0.2: H2#43.1 24,27 23.09,27.91 R1#72.2
Board_62-Net-(D1-A): length 4.1
  Top w0.2: D1#62.2 34.87,27.88 34,27 H1#6.1
Board_62-Net-(D1-K): length 1.6
  Top w0.2: R1#46.1 37.26,26.13 D1#62.1
Board_62-Net-(H2-Pad1): length 4.1
  Top w0.2: H2#83.1 39,27 38.09,27.91 R1#46.2
Board_63-Net-(D1-A): length 4.1
  Top w0.2: H1#50.1 49,27 49.87,27.88 D1#78.2
Board_63-Net-(D1-K): length 1.6
  Top w0.2: D1#78.1 52.26,26.13 R1#65.1
Board_63-Net-(H2-Pad1): length 4.1
  Top w0.2: R1#65.2 53.09,27.91 54,27 H2#75.1
Board_64-Net-(D1-A): length 4.1
  Top w0.2: H1#48.1 64,27 64.87,27.88 D1#39.2
Board_64-Net-(D1-K): length 1.6
  Top w0.2: D1#39.1 67.26,26.13 R1#7.1
Board_64-Net-(H2-Pad1): length 4.1
  Top w0.2: H2#38.1 69,27 68.09,27.91 R1#7.2
Board_65-Net-(D1-A): length 4.1
  Top w0.2: H1#7.1 79,27 79.87,27.88 D1#32.2
Board_65-Net-(D1-K): length 1.6
  Top w0.2: D1#32.1 82.26,26.13 R1#82.1
Board_65-Net-(H2-Pad1): length 4.1
  Top w0.2: R1#82.2 83.09,27.91 84,27 H2#20.1
Board_66-Net-(D1-A): length 4.1
  Top w0.2: H1#12.1 4,21 4.87,21.88 D1#16.2
Board_66-Net-(D1-K): length 1.6
  Top w0.2: D1#16.1 7.26,20.13 R1#75.1
Board_66-Net-(H2-Pad1): length 4.1
  Top w0.2: H2#56.1 9,21 8.09,21.91 R1#75.2
Board_67-Net-(D1-A): length 4.1
  Top w0.2: D1#23.2 19.87,21.88 19,21 H1#29.1
Board_67-Net-(D1-K): length 1.6
  Top w0.2: R1#47.1 22.26,20.13 D1#23.1
Board_67-Net-(H2-Pad1): length 4.1
  Top w0.2: R1#47.2 23.09,21.91 24,21 H2#55.1
Board_68-Net-(D1-A): length 4.1
  Top w0.2: D1#31.2 34.87,21.88 34,21 H1#44.1
Board_68-Net-(D1-K): length 1.6
  Top w0.2: R1.1 37.26,20.13 D1#31.1
Board_68-Net-(H2-Pad1): length 4.1
  Top w0.2: R1.2 38.09,21.91 39,21 H2#52.1
Board_69-Net-(D1-A): length 4.1
  Top w0.2: H1#16.1 49,21 49.87,21.88 D1#41.2
Board_69-Net-(D1-K): length 1.6
  Top w0.2: R1#58.1 52.26,20.13 D1#41.1
Board_69-Net-(H2-Pad1): length 4.1
  Top w0.2: R1#58.2 53.09,21.91 54,21 H2#23.1
Board_70-Net-(D1-A): length 4.1
  Top w0.2: D1#38.2 64.87,21.88 64,21 H1#42.1
Board_70-Net-(D1-K): length 1.6
  Top w0.2: R1#56.1 67.26,20.13 D1#38.1
Board_70-Net-(H2-Pad1): length 4.1
  Top w0.2: R1#56.2 68.09,21.91 69,21 H2#50.1
Board_71-Net-(D1-A): length 4.1
  Top w0.2: D1#47.2 79.87,21.88 79,21 H1#28.1
Board_71-Net-(D1-K): length 1.6
  Top w0.2: R1#59.1 82.26,20.13 D1#47.1
Board_71-Net-(H2-Pad1): length 4.1
  Top w0.2: R1#59.2 83.09,21.91 84,21 H2#2.1
Board_72-Net-(D1-A): length 4.1
  Top w0.2: D1#45.2 4.87,15.88 4,15 H1#84.1
Board_72-Net-(D1-K): length 1.6
  Top w0.2: R1#16.1 7.26,14.13 D1#45.1
Board_72-Net-(H2-Pad1): length 4.1
  Top w0.2: H2#76.1 9,15 8.09,15.91 R1#16.2
Board_73-Net-(D1-A): length 4.1
  Top w0.2: D1#80.2 19.87,15.88 19,15 H1#30.1
Board_73-Net-(D1-K): length 1.6
  Top w0.2: D1#80.1 22.26,14.13 R1#60.1
Board_73-Net-(H2-Pad1): length 4.1
  Top w0.2: H2#6.1 24,15 23.09,15.91 R1#60.2
Board_74-Net-(D1-A): length 4.1
  Top w0.2: H1#66.1 34,15 34.87,15.88 D1#40.2
Board_74-Net-(D1-K): length 1.6
  Top w0.2: D1#40.1 37.26,14.13 R1#61.1
Board_74-Net-(H2-Pad1): length 4.1
  Top w0.2: R1#61.2 38.09,15.91 39,15 H2#18.1
Board_75-Net-(D1-A): length 4.1
  Top w0.2: D1#57.2 49.87,15.88 49,15 H1#15.1
Board_75-Net-(D1-K): length 1.6
  Top w0.2: R1#11.1 52.26,14.13 D1#57.1
Board_75-Net-(H2-Pad1): length 4.1
  Top w0.2: H2#45.1 54,15 53.09,15.91 R1#11.2
Board_76-Net-(D1-A): length 4.1
  Top w0.2: H1#34.1 64,15 64.87,15.88 D1#64.2
Board_76-Net-(D1-K): length 1.6
  Top w0.2: D1#64.1 67.26,14.13 R1#69.1
Board_76-Net-(H2-Pad1): length 4.1
  Top w0.2: H2#48.1 69,15 68.09,15.91 R1#69.2
Board_77-Net-(D1-A): length 4.1
  Top w0.2: H1#5.1 79,15 79.87,15.88 D1#3.2
Board_77-Net-(D1-K): length 1.6
  Top w0.2: R1#23.1 82.26,14.13 D1#3.1
Board_77-Net-(H2-Pad1): length 4.1
  Top w0.2: R1#23.2 83.09,15.91 84,15 H2#42.1
Board_78-Net-(D1-A): length 4.1
  Top w0.2: H1#40.1 4,9 4.87,9.88 D1#72.2
Board_78-Net-(D1-K): length 1.6
  Top w0.2: D1#72.1 7.26,8.13 R1#67.1
Board_78-Net-(H2-Pad1): length 4.1
  Top w0.2: H2#47.1 9,9 8.09,9.91 R1#67.2
Board_79-Net-(D1-A): length 4.1
  Top w0.2: H1#10.1 19,9 19.87,9.88 D1#29.2
Board_79-Net-(D1-K): length 1.6
  Top w0.2: R1#40.1 22.26,8.13 D1#29.1
Board_79-Net-(H2-Pad1): length 4.1
  Top w0.2: H2.1 24,9 23.09,9.91 R1#40.2
Board_80-Net-(D1-A): length 4.1
  Top w0.2: H1#60.1 34,9 34.87,9.88 D1#30.2
Board_80-Net-(D1-K): length 1.6
  Top w0.2: R1#34.1 37.26,8.13 D1#30.1
Board_80-Net-(H2-Pad1): length 4.1
  Top w0.2: R1#34.2 38.09,9.91 39,9 H2#32.1
Board_81-Net-(D1-A): length 4.1
  Top w0.2: D1#24.2 49.87,9.88 49,9 H1#20.1
Board_81-Net-(D1-K): length 1.6
  Top w0.2: R1#10.1 52.26,8.13 D1#24.1
Board_81-Net-(H2-Pad1): length 4.1
  Top w0.2: R1#10.2 53.09,9.91 54,9 H2#22.1
Board_82-Net-(D1-A): length 4.1
  Top w0.2: D1#83.2 64.87,9.88 64,9 H1#80.1
Board_82-Net-(D1-K): length 1.6
  Top w0.2: R1#6.1 67.26,8.13 D1#83.1
Board_82-Net-(H2-Pad1): length 4.1
  Top w0.2: H2#49.1 69,9 68.09,9.91 R1#6.2
Board_83-Net-(D1-A): length 4.1
  Top w0.2: H1#38.1 79,9 79.87,9.88 D1#2.2
Board_83-Net-(D1-K): length 1.6
  Top w0.2: D1#2.1 82.26,8.13 R1#54.1
Board_83-Net-(H2-Pad1): length 4.1
  Top w0.2: R1#54.2 83.09,9.91 84,9 H2#54.1

## Text on the board
B.Silkscreen: @flicker / stitch | 0603
F.Silkscreen: + | -
